# Altium PCB tester.PcbDoc (part 2 of 2)
Units mm, origin at the board's own origin, x right, y up, seen from the top; angles counter-clockwise.
Board outline 119.5 x 109.5 mm, 4 copper layers (Top Layer, Int1 (GND), Int2 (PWR), Bottom Layer), stack 1.369 mm thick; 137 components, 118 nets, 490 pads, 208 vias.
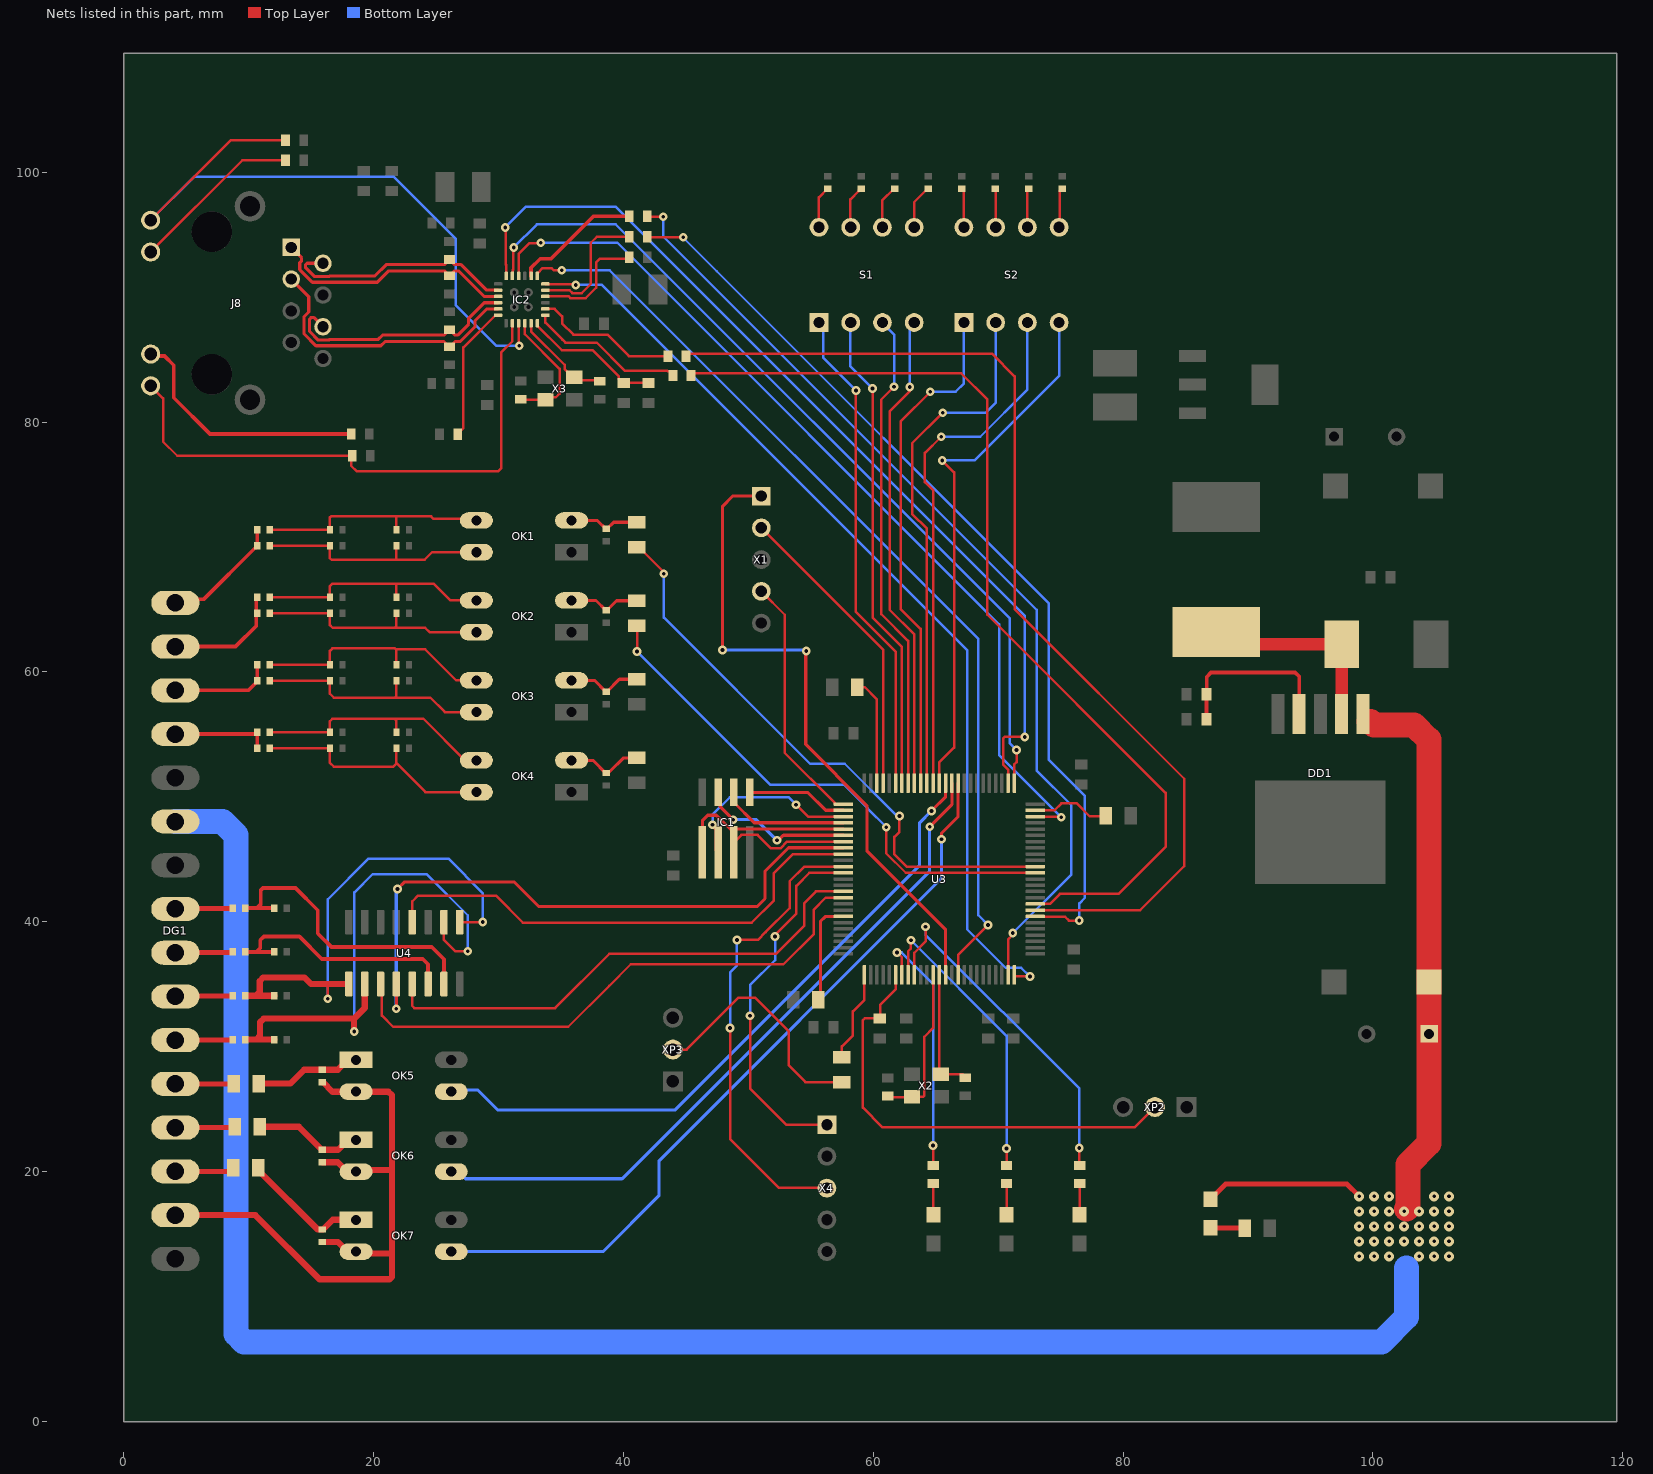
[diagram p4: the nets of this part, all layers, seen from the top]

## Via types
v1: diameter 0.8, hole 0.3, Top Layer to Bottom Layer, tented both sides, 123 vias
v2: diameter 0.7, hole 0.3, Top Layer to Bottom Layer, tented both sides, 84 vias
v3: diameter 0.7, hole 0.3, Top Layer to Bottom Layer, 1 vias

## Nets (pads, with @x,y where several pads share a name; then routed paths per layer and width w, separated by ;. In a path a pad name is that pad's centre, name@x,y a point inside that pad or via, vN(x,y) a via of type N, cw(c..) or ccw(c..) an arc to the next point about the centre after c; other vN are vias at no path point) (continued)
MAC_b0: S1.1 U3.70 | length 39.4
  Top Layer w0.2: v2(58.625,82.525) 58.625,64.8 61.8,61.625 U3.70@61.8,51.105
  Bottom Layer w0.2: S1.1@55.665,87.965 56,87.63 56,85.15 v2(58.625,82.525)
MAC_b1: S1.2 U3.69 | length 38.6
  Top Layer w0.2: v2(59.95,82.675) 59.95,64.35 62.3,62 U3.69@62.3,51.105
  Bottom Layer w0.2: S1.2@58.205,87.965 58.175,87.935 58.175,84.45 v2(59.95,82.675)
MAC_b2: S1.3 U3.68 | length 38.6
  Top Layer w0.2: v2(61.675,82.825) 60.65,81.8 60.65,64.625 62.8,62.475 U3.68@62.8,51.105
  Bottom Layer w0.2: S1.3@60.745,87.965 60.725,87.945 61.675,86.995 v2(61.675,82.825)
MAC_b3: S1.4 U3.67 | length 38.5
  Top Layer w0.2: v2(62.925,82.8) 62.925,82.45 61.325,80.85 61.325,64.975 63.3,63 U3.67@63.3,51.105
  Bottom Layer w0.2: v2(62.925,82.8) 62.925,87.605 S1.4@63.285,87.965
MAC_b4: S2.1 U3.66 | length 40.8
  Top Layer w0.2: U3.66@63.8,51.105 63.8,63.45 62.2,65.05 62.2,80.05 v2(64.575,82.425)
  Bottom Layer w0.2: v2(64.575,82.425) 66.6,82.425 67.265,83.09 S2.1@67.265,87.965
MAC_b5: S2.2 U3.65 | length 42.1
  Top Layer w0.2: U3.65@64.3,51.105 64.3,71.475 63.125,72.65 63.125,78.3 v2(65.575,80.75)
  Bottom Layer w0.2: v2(65.575,80.75) 69.025,80.75 69.805,81.53 S2.2@69.805,87.965
MAC_b6: S2.3 U3.64 | length 42.4
  Top Layer w0.2: U3.64@64.8,51.105 64.8,74.55 64.15,75.2 64.15,77.525 v2(65.45,78.825)
  Bottom Layer w0.2: v2(65.45,78.825) 68.575,78.825 72.345,82.595 S2.3@72.345,87.965
MAC_b7: S2.4 U3.63 | length 43.1
  Top Layer w0.2: U3.63@65.3,51.105 65.3,52.775 66.475,53.95 66.475,75.975 v2(65.525,76.925)
  Bottom Layer w0.2: v2(65.525,76.925) 68.125,76.925 74.885,83.685 S2.4@74.885,87.965
NetC1_2: C1.2 U3.12 X2.3 | length 12.9
  Top Layer w0.2: C1.2@61.175,25.975 63.085,25.975 X2.3@63.102,25.993 63.983,25.993 64.1,26.11 64.1,30.8 64.8,31.5 U3.12@64.8,35.745
NetC2_2: C2.2 IC2.4 X3.3 | length 10.3
  Top Layer w0.2: C2.2@31.7,81.741 31.734,81.775 X3.3@33.875,81.775 ; IC2.4@32.125,87.905 32.125,87.025 34.9,84.25 34.9,82.275 34.608,81.983 33.983,81.983 X3.3@33.775,81.775
NetC6_2: C6.2 U3.13 X2.1 | length 10
  Top Layer w0.2: U3.13@65.3,35.745 65.3,27.895 X2.1@65.402,27.793 67.182,27.793 C6.2@67.375,27.6
NetC7_2: C7.2 IC2.5 X3.1 | length 8
  Top Layer w0.2: IC2.5@32.625,87.905 32.625,87.26 35.3,84.585 35.3,84.25 35.975,83.575 X3.1@36.075,83.575 36.309,83.341 C7.2@38.125,83.341
NetC14_1: C14.1 U3.73 | length 8.7
  Top Layer w0.2: C14.1@58.725,58.775 59.333,58.775 60.183,57.925 60.3,57.808 U3.73@60.3,51.105
NetC16_2: C16.2 U3.6 XP2.2 | length 37.1
  Top Layer w0.2: U3.6@61.8,35.745 61.8,34.583 60.667,33.45 60.55,33.333 60.55,32.3 C16.2@60.525,32.275 59.325,32.275 59.175,32.125 59.175,25.125 60.725,23.575 80.95,23.575 XP2.2@82.55,25.175
NetC21_2: C21.2 U3.49 | length 6.3
  Top Layer w0.2: U3.49@72.98,48.925 74.525,48.925 75.075,49.475 76.3,49.475 77.325,48.45 78.55,48.45 C21.2@78.6,48.5
NetC30_1: C30.1 C31.1 IC2.6 | length 11.1
  Top Layer w0.2: IC2.6@33.125,87.905 33.125,87.7 35.075,85.75 37.55,85.75 39.648,83.652 39.648,83.425 39.948,83.125 C31.1@42.02,83.125
NetD2_C: D2.C DD1.2 L1.P$1 | length 16
  Top Layer w1: L1.P$1@87.475,63.2 88.475,62.2 D2.C@97.507,62.2 97.503,62.197 97.503,56.628 DD1.2@97.5,56.625
NetDD1_4: DD1.4 R1.1 R2.1 | length 14.1
  Top Layer w0.3: R2.1@86.675,56.2 86.687,56.212 86.687,58.212 R1.1@86.7,58.225 86.7,59.6 87.05,59.95 93.775,59.95 94.1,59.625 DD1.4@94.1,56.625
NetDG1_1: DG1.1 R3.1 R4.1 | length 9.8
  Top Layer w0.3: DG1.1@4.155,65.525 4.454,65.824 6.435,65.824 10.55,69.939 10.6,69.939 10.7,70.039 R4.1@10.7,70.089 R3.1@10.7,71.375
NetDG1_2: DG1.2 R33.1 R34.1 | length 9.5
  Top Layer w0.3: DG1.2@4.155,62.025 8.975,62.025 10.625,63.675 10.625,65.895 R33.1@10.7,65.97
NetDG1_3: DG1.3 R74.1 R75.1 | length 8.2
  Top Layer w0.3: DG1.3@4.155,58.525 9.995,58.525 10.7,59.23 R75.1@10.7,59.28 R74.1@10.7,60.566
NetDG1_4: DG1.4 R80.1 R81.1 | length 7.9
  Top Layer w0.3: DG1.4@4.155,55.025 10.6,55.025 R80.1@10.7,55.125 ; R81.1@10.7,53.875 R80.1@10.7,55.125 ; R80.1@10.7,55.161 R80.1@10.7,55.125
NetDG1_8: DG1.8 R54.1 | length 4.6
  Top Layer w0.4: DG1.8@4.155,41.025 4.193,41.062 8.713,41.062 R54.1@8.75,41.1
NetDG1_9: DG1.9 R56.1 | length 4.6
  Top Layer w0.4: DG1.9@4.155,37.525 4.188,37.558 8.717,37.558 R56.1@8.75,37.592
NetDG1_10: DG1.10 R57.1 | length 4.6
  Top Layer w0.4: DG1.10@4.155,34.025 4.184,34.054 8.721,34.054 R57.1@8.75,34.083
NetDG1_11: DG1.11 R58.1 | length 4.6
  Top Layer w0.4: DG1.11@4.155,30.525 4.18,30.55 8.725,30.55 R58.1@8.75,30.575
NetDG1_12: DG1.12 R65.1 | length 4.7
  Top Layer w0.4: DG1.12@4.155,27.025 8.8,27.025 R65.1@8.825,27.05
NetDG1_13: DG1.13 R67.1 | length 4.8
  Top Layer w0.4: DG1.13@4.155,23.525 8.825,23.525 R67.1@8.9,23.6
NetDG1_14: DG1.14 R69.1 | length 4.8
  Top Layer w0.4: DG1.14@4.155,20.025 8.525,20.025 R69.1@8.8,20.3
NetDG1_15: DG1.15 OK5.2 OK6.2 OK7.2 R66.2 R68.2 R70.2 | length 52
  Top Layer w0.5: DG1.15@4.155,16.525 10.55,16.525 15.687,11.388 21.295,11.388 21.5,11.593 21.5,13.45 ; R70.2@15.925,14.375 17.154,14.375 17.924,13.605 OK7.2@18.615,13.605 18.77,13.45 21.5,13.45 ; R68.2@15.925,20.763 17.142,20.763 17.899,20.005 OK6.2@18.615,20.005 18.735,20.125 21.5,20.125 ; R66.2@15.925,27.15 15.975,27.15 16.72,26.405 OK5.2@18.615,26.405 21.207,26.405 21.5,26.112 21.5,20.125 ; 21.5,13.45 21.5,20.125
NetIC1_1: IC1.1 U3.77 | length 8.1
  Top Layer w0.254: IC1.1@50.13,50.35 54.775,50.35 56.2,48.925 U3.77@57.62,48.925
NetIC1_2: IC1.2 U3.79 | length 10.2
  Top Layer w0.254: IC1.2@48.86,50.35 48.86,49.55 50.485,47.925 U3.79@57.62,47.925
NetIC1_3: IC1.3 U3.81 | length 12.3
  Top Layer w0.254: IC1.3@47.59,50.35 47.763,50.177 47.763,49.212 v2(48.8,48.175) ; v2(52.3,46.525) 52.421,46.525 52.821,46.925 U3.81@57.62,46.925
  Bottom Layer w0.254: v2(48.8,48.175) 50.65,48.175 v2(52.3,46.525)
NetIC1_5: IC1.5 U3.80 | length 14.5
  Top Layer w0.25: IC1.5@46.32,45.55 46.35,45.58 46.35,48.125 46.749,48.524 47.451,48.524 48.55,47.425 U3.80@57.62,47.425
NetIC1_6: IC1.6 U3.78 | length 14.9
  Top Layer w0.2: v2(47.15,47.775) 47.15,47.64 47.39,47.4 47.39,45.75 IC1.6@47.59,45.55 ; v2(53.825,49.375) 54.787,48.413 57.607,48.413 U3.78@57.62,48.425
  Bottom Layer w0.2: v2(47.15,47.775) 47.15,48.575 48.525,49.95 53.25,49.95 v2(53.825,49.375)
NetIC1_7: IC1.7 U3.82 | length 10.5
  Top Layer w0.2: IC1.7@48.86,45.55 48.86,46.35 49.46,46.95 50.75,46.95 51.825,45.875 52.569,45.875 53.119,46.425 U3.82@57.62,46.425
NetIC2_2: IC2.2 J8.12 R46.2 | length 45.5
  Top Layer w0.2: J8.12@2.175,82.9 3.175,81.9 3.175,78.425 4.3,77.3 18.225,77.3 18.225,76.5 18.675,76.05 29.975,76.05 30.25,76.325 30.25,85.594 31.125,86.469 IC2.2@31.125,87.905
NetIC2_3: IC2.3 J8.9 R45.2 | length 54.9
  Top Layer w0.2: J8.9@2.175,96.15 8.575,102.55 R45.2@12.9,102.55 ; IC2.3@31.625,87.905 31.65,87.88 31.65,86.125 v2(31.675,86.1)
  Bottom Layer w0.2: J8.9@2.175,96.15 5.675,99.65 21.6,99.65 26.575,94.675 26.575,89.375 29.85,86.1 v2(31.675,86.1)
NetIC2_7: IC2.7 R38.2 | length 12.5
  Top Layer w0.2: IC2.7@33.77,88.55 33.77,87.955 35.125,86.6 35.375,86.35 37.875,86.35 40.125,84.1 43.525,84.1 43.55,84.075 43.65,84.075 43.9,83.825 R38.2@43.9,83.725
NetIC2_8: IC2.8 R37.2 | length 11.6
  Top Layer w0.2: IC2.8@33.77,89.05 34.5,89.05 35.1,88.45 35.1,87.9 36.008,86.992 38.733,86.992 40.45,85.275 R37.2@43.5,85.275
NetIC2_10: IC2.10 R39.2 | length 9.2
  Top Layer w0.2: IC2.10@33.77,90.05 35.64,90.05 35.765,89.925 37,89.925 37.825,90.75 37.825,92.775 38.125,93.075 40.292,93.075 R39.2@40.4,93.183
NetIC2_11: IC2.11 R40.2 | length 10.5
  Top Layer w0.2: IC2.11@33.77,90.55 35.706,90.55 35.931,90.325 36.675,90.325 37.4,91.05 37.4,94.35 37.875,94.825 R40.2@40.4,94.825
NetIC2_14: IC2.14 R43.2 | length 10.1
  Top Layer w0.3: IC2.14@32.625,91.695 32.625,92.351 33.349,93.075 34.225,93.075 37.625,96.475 R43.2@40.4,96.475
NetIC2_24: IC2.24 R41.1 | length 11
  Top Layer w0.2: R41.1@26.825,79.025 26.825,79.125 27.2,79.5 27.2,85.975 29.775,88.55 IC2.24@29.98,88.55
NetJ8_10: J8.10 R82.2 | length 13.8
  Top Layer w0.2: J8.10@2.175,93.61 9.515,100.95 R82.2@12.9,100.95
NetJ8_11: J8.11 R83.2 | length 20.1
  Top Layer w0.3: J8.11@2.175,85.44 2.33,85.285 3.29,85.285 4.025,84.55 4.025,81.95 6.925,79.05 R83.2@18.15,79.05
NetOK1_2: OK1.2 R18.2 R19.1 | length 5.7
  Top Layer w0.25: OK1.2@35.86,72.12 37.93,72.12 38.6,71.45 R19.1@38.65,71.45 38.7,71.45 39.225,71.975 R18.2@41.075,71.975
NetOK1_3: OK1.3 R3.2 R11.2 R17.2 | length 18.8
  Top Layer w0.2: R3.2@11.7,71.375 R17.2@16.525,71.375 16.525,72.36 16.642,72.477 21.825,72.477 21.85,72.452 ; R11.2@21.85,71.375 21.85,72.452 ; OK1.3@28.24,72.12 28.11,72.25 24.825,72.25 24.623,72.452 21.85,72.452
NetOK1_4: OK1.4 R4.2 R10.2 R16.2 | length 19
  Top Layer w0.2: R4.2@11.7,70.089 R16.2@16.525,70.089 16.525,69.1 16.65,68.975 21.733,68.975 ; R10.2@21.85,70.089 21.85,69.092 21.733,68.975 ; OK1.4@28.24,69.58 24.7,69.58 24.095,68.975 21.733,68.975
NetOK2_2: OK2.2 R20.2 R21.1 | length 5.9
  Top Layer w0.25: OK2.2@35.86,65.72 37.813,65.72 38.6,64.933 R21.1@38.65,64.933 38.7,64.933 39.458,65.692 R20.2@41.075,65.692
NetOK2_3: OK2.3 R5.2 R8.2 R33.2 | length 19.2
  Top Layer w0.2: R33.2@11.7,65.97 R5.2@16.525,65.97 16.525,66.875 16.725,67.075 21.733,67.075 ; R8.2@21.85,65.97 21.85,66.958 21.733,67.075 ; OK2.3@28.24,65.72 26.18,65.72 24.825,67.075 21.733,67.075
NetOK2_4: OK2.4 R7.2 R32.2 R34.2 | length 18.9
  Top Layer w0.2: R34.2@11.7,64.684 R7.2@16.525,64.684 16.525,63.75 16.75,63.525 21.708,63.525 ; R32.2@21.85,64.684 21.825,64.659 21.825,63.642 21.708,63.525 ; OK2.4@28.24,63.18 24.495,63.18 24.15,63.525 21.708,63.525
NetOK3_2: OK3.2 R22.2 R23.1 | length 6
  Top Layer w0.25: OK3.2@35.86,59.32 37.697,59.32 38.6,58.417 R23.1@38.65,58.417 38.7,58.417 39.692,59.408 R22.2@41.075,59.408
NetOK3_3: OK3.3 R35.2 R44.2 R74.2 | length 20
  Top Layer w0.2: R74.2@11.7,60.566 R35.2@16.525,60.566 16.525,61.675 16.725,61.875 21.725,61.875 21.8,61.8 ; R44.2@21.85,60.566 21.85,61.75 21.8,61.8 ; OK3.3@28.24,59.32 26.63,59.32 24.15,61.8 21.8,61.8
NetOK3_4: OK3.4 R42.2 R73.2 R75.2 | length 19.6
  Top Layer w0.2: R75.2@11.7,59.28 R42.2@16.525,59.28 16.525,58.25 16.825,57.95 21.733,57.95 ; R73.2@21.85,59.28 21.85,58.067 21.733,57.95 ; OK3.4@28.24,56.78 25.72,56.78 24.55,57.95 21.733,57.95
NetOK4_2: OK4.2 R26.2 R27.1 | length 6.1
  Top Layer w0.25: OK4.2@35.86,52.92 37.58,52.92 38.6,51.9 R27.1@38.65,51.9 38.775,52.025 38.927,52.025 40.027,53.125 R26.2@41.075,53.125
NetOK4_3: OK4.3 R76.2 R78.2 R80.2 | length 20.1
  Top Layer w0.2: R80.2@11.7,55.161 R76.2@16.525,55.161 16.525,56.05 16.725,56.25 21.675,56.25 ; R78.2@21.85,55.161 21.85,56.075 21.675,56.25 ; OK4.3@28.24,52.92 27.33,52.92 24,56.25 21.675,56.25
NetOK4_4: OK4.4 R77.2 R79.2 R81.2 | length 20.1
  Top Layer w0.2: R81.2@11.7,53.875 R77.2@16.525,53.875 16.525,52.725 16.825,52.425 21.6,52.425 21.85,52.675 R79.2@21.85,53.875 ; 21.85,52.7 24.17,50.38 OK4.4@28.24,50.38
NetOK5_1: OK5.1 R65.2 R66.1 | length 8.6
  Top Layer w0.5: R65.2@10.825,27.05 13.35,27.05 14.45,28.15 R66.1@15.925,28.15 17.16,28.15 17.955,28.945 OK5.1@18.615,28.945
NetOK5_3: OK5.3 U3.62 | length 53.8
  Top Layer w0.25: v2(64.675,48.875) 65.8,50 U3.62@65.8,51.105
  Bottom Layer w0.25: OK5.3@26.235,26.405 26.355,26.525 28.375,26.525 29.975,24.925 44.125,24.925 63.725,44.525 63.725,47.925 v2(64.675,48.875)
NetOK6_1: OK6.1 R67.2 R68.1 | length 8.8
  Top Layer w0.5: R67.2@10.9,23.6 14.037,23.6 15.875,21.762 R68.1@15.925,21.762 17.172,21.762 17.955,22.545 OK6.1@18.615,22.545
NetOK6_3: OK6.3 U3.61 | length 56.5
  Top Layer w0.25: v2(64.525,47.6) 66.3,49.375 U3.61@66.3,51.105
  Bottom Layer w0.25: OK6.3@26.235,20.005 26.795,20.005 27.369,19.431 39.906,19.431 64.525,44.05 v2(64.525,47.6)
NetOK7_1: OK7.1 R69.2 R70.1 | length 10.3
  Top Layer w0.5: R69.2@10.8,20.3 10.8,20.1 15.525,15.375 R70.1@15.925,15.375 15.975,15.375 16.745,16.145 OK7.1@18.615,16.145
NetOK7_3: OK7.3 U3.60 | length 61.4
  Top Layer w0.25: v2(65.475,46.6) 65.475,47.1 66.8,48.425 U3.60@66.8,51.105
  Bottom Layer w0.25: OK7.3@26.235,13.605 38.38,13.605 42.875,18.1 42.875,20.875 65.475,43.475 v2(65.475,46.6)
NetR6_1: R6.1 VD4.K | length 2.7
  Top Layer w0.4: VD4.K@87,15.5 89.7,15.5 R6.1@89.725,15.475
NetR9_2: R9.2 S1.8 | length 3.4
  Top Layer w0.2: S1.8@55.665,95.585 55.65,95.6 55.65,97.975 R9.2@56.35,98.675
NetR12_1: R12.1 U3.94 | length 8.3
  Top Layer w0.254: R12.1@55.6,33.775 55.775,33.95 55.775,40.025 56.169,40.419 57.614,40.419 U3.94@57.62,40.425
NetR13_1: R13.1 U3.7 | length 20.4
  Top Layer w0.2: v2(61.9,37.55) 61.915,37.55 62.3,37.165 U3.7@62.3,35.745 ; v2(64.8,22.1) 64.8,20.588 R13.1@64.813,20.575
  Bottom Layer w0.2: v2(61.9,37.55) 62.275,37.55 64.8,35.025 v2(64.8,22.1)
NetR13_2: R13.2 VD1.K | length 2.4
  Top Layer w0.2: R13.2@64.813,18.975 64.813,16.574 VD1.K@64.837,16.55
NetR14_1: R14.1 U3.8 | length 24
  Top Layer w0.2: U3.8@62.8,35.745 62.8,37.645 63.025,37.87 v2(63.025,38.525) ; R14.1@70.675,20.575 v2(70.675,21.85)
  Bottom Layer w0.2: v2(63.025,38.525) 70.675,30.875 v2(70.675,21.85)
NetR14_2: R14.2 VD2.K | length 2.4
  Top Layer w0.2: VD2.K@70.675,16.55 R14.2@70.675,18.975
NetR15_1: R15.1 U3.9 | length 28.4
  Top Layer w0.2: U3.9@63.3,35.745 63.3,37.525 64.2,38.425 v2(64.2,39.6) ; v2(76.5,21.9) 76.5,20.613 R15.1@76.538,20.575
  Bottom Layer w0.2: v2(64.2,39.6) 64.2,38.95 76.5,26.65 v2(76.5,21.9)
NetR15_2: R15.2 VD3.K | length 2.4
  Top Layer w0.2: VD3.K@76.513,16.55 76.538,16.575 R15.2@76.538,18.975
NetR18_1: R18.1 U3.40 | length 47
  Top Layer w0.2: R18.1@41.075,69.975 41.275,69.975 43.154,68.096 43.154,67.946 v2(43.25,67.85) ; v2(62.1,48.475) 62.1,47.2 61.7,46.8 61.7,45.4 62.675,44.425 U3.40@72.98,44.425
  Bottom Layer w0.2: v2(43.25,67.85) 43.25,64.35 54.95,52.65 57.725,52.65 61.9,48.475 v2(62.1,48.475)
NetR20_1: R20.1 U3.39 | length 42.5
  Top Layer w0.2: R20.1@41.075,63.692 41.1,63.667 v2(41.1,61.625) ; v2(61.052,47.575) 61.052,45.482 62.609,43.925 U3.39@72.98,43.925
  Bottom Layer w0.2: v2(41.1,61.625) 51.775,50.95 57.702,50.95 59.555,49.097 59.555,49.072 v2(61.052,47.575)
NetR24_2: R24.2 S1.7 | length 3.5
  Top Layer w0.2: S1.7@58.205,95.585 58.175,95.615 58.175,97.814 58.836,98.475 58.836,98.525 58.986,98.675 R24.2@59.036,98.675
NetR25_2: R25.2 S1.6 | length 3.6
  Top Layer w0.2: S1.6@61.199,95.811 61.099,95.811 60.725,96.186 60.725,97.729 61.671,98.675 R25.2@61.721,98.675
NetR54_2: R54.2 R61.2 U4.7 | length 24
  Top Layer w0.3: R54.2@9.75,41.1 10.682,41.1 ; R61.2@12.075,41.1 10.682,41.1 ; U4.7@25.65,35.025 25.65,37 24.675,37.975 16.65,37.975 15.55,39.075 15.55,40.925 13.775,42.7 11.168,42.7 10.975,42.507 10.975,41.393 10.682,41.1
NetR55_1: R55.1 XP3.2 | length 19.6
  Top Layer w0.2: XP3.2@43.975,29.775 45.075,29.775 49.225,33.925 50.55,33.925 53.25,31.225 53.25,28.5 54.575,27.175 R55.1@57.5,27.175
NetR55_2: R55.2 U3.1 | length 7.3
  Top Layer w0.2: R55.2@57.5,29.175 57.5,30.025 58.375,30.9 58.375,32.825 59.3,33.75 U3.1@59.3,35.745
NetR56_2: R56.2 R62.2 U4.6 | length 19.4
  Top Layer w0.3: R56.2@9.75,37.592 10.649,37.592 ; R62.2@12.075,37.592 10.649,37.592 ; U4.6@24.38,35.025 24.38,36.595 23.95,37.025 15.875,37.025 14.075,38.825 11.243,38.825 10.95,38.532 10.95,37.893 10.649,37.592
NetR57_2: R57.2 R63.2 U4.1 U4.9 | length 39.3
  Top Layer w0.2: v2(16.35,33.85) 16.35,34.86 16.515,35.025 ; U4.9@26.92,39.975 v2(28.75,39.975)
  Top Layer w0.5: R57.2@9.75,34.083 10.59,34.083 ; R63.2@12.075,34.083 10.59,34.083 ; U4.1@18.03,35.025 16.515,35.025 15,35.025 14.475,35.55 11.193,35.55 10.9,35.257 10.9,34.393 10.59,34.083
  Bottom Layer w0.2: v2(16.35,33.85) 16.35,41.8 19.6,45.05 26,45.05 28.75,42.3 v2(28.75,39.975)
NetR58_2: R58.2 R64.2 U4.2 U4.10 | length 44.4
  Top Layer w0.2: U4.10@25.65,39.975 25.65,38.55 26.525,37.675 26.55,37.65 v2(27.55,37.65)
  Top Layer w0.5: R58.2@9.75,30.575 10.632,30.575 ; R64.2@12.075,30.575 10.632,30.575 ; v2(18.475,31.225) 18.45,31.25 18.45,32.25 ; U4.2@19.3,35.025 19.3,33.1 18.45,32.25 ; 10.632,30.575 10.925,30.868 10.925,31.957 11.218,32.25 18.45,32.25
  Bottom Layer w0.2: v2(18.475,31.225) 18.475,42.35 19.95,43.825 24.25,43.825 27.55,40.525 v2(27.55,37.65)
NetR84_2: R84.2 S1.5 | length 3.6
  Top Layer w0.2: S1.5@63.285,95.585 63.275,95.595 63.275,97.593 64.357,98.675 R84.2@64.407,98.675
NetR85_2: R85.2 S2.8 | length 3.2
  Top Layer w0.2: R85.2@67.093,98.675 67.115,98.675 67.265,98.525 S2.8@67.265,95.585
NetR86_2: R86.2 S2.7 | length 3.1
  Top Layer w0.2: R86.2@69.779,98.675 69.805,98.649 S2.7@69.805,95.585
NetR87_2: R87.2 S2.6 | length 3.1
  Top Layer w0.2: S2.6@72.345,95.585 72.345,98.556 R87.2@72.464,98.675
NetR88_2: R88.2 S2.5 | length 3.2
  Top Layer w0.2: S2.5@74.885,95.585 74.95,95.65 74.95,98.525 75.1,98.675 R88.2@75.15,98.675
NetU3_72: U3.72 X1.2 | length 24.5
  Top Layer w0.2: X1.2@51.05,71.53 60.8,61.78 U3.72@60.8,51.105
NetU3_76: U3.76 X1.4 | length 20.1
  Top Layer w0.2: X1.4@51.05,66.45 52.925,64.575 52.925,53.515 56.94,49.5 56.94,49.465 56.98,49.425 U3.76@57.62,49.425
NetU3_83: U3.83 U4.4 | length 51.6
  Top Layer w0.25: v2(21.826,33.046) 21.84,33.06 U4.4@21.84,35.025 ; v2(21.925,42.625) 22.5,43.2 31.25,43.2 33.225,41.225 50.725,41.225 51.35,41.85 51.35,44.055 53.22,45.925 U3.83@57.62,45.925
  Bottom Layer w0.25: v2(21.826,33.046) 21.826,42.526 v2(21.925,42.625)
NetU3_84: U3.84 U4.12 | length 40.8
  Top Layer w0.2: U4.12@23.11,39.975 23.11,41.635 23.575,42.1 29.8,42.1 31.975,39.925 50.275,39.925 52.025,41.675 52.025,43.875 53.575,45.425 U3.84@57.62,45.425
NetU3_90: U3.90 U4.5 | length 41.3
  Top Layer w0.2: U4.5@23.11,35.025 23.11,33.265 23.275,33.1 34.55,33.1 38.875,37.425 52.225,37.425 54.5,39.7 54.5,41.5 55.425,42.425 U3.90@57.62,42.425
NetU3_91: U3.91 U4.3 | length 45.3
  Top Layer w0.2: U4.3@20.57,35.025 20.675,34.92 20.675,32.5 21.575,31.6 35.6,31.6 38.875,34.875 40.6,36.6 52.825,36.6 55.25,39.025 55.25,40.975 56.2,41.925 U3.91@57.62,41.925
P1_RX_N: IC2.22 J8.6 R28.1 | length 19.6
  Top Layer w0.25: J8.6@15.965,87.625 15.217,88.373 15.031,88.373 14.899,88.241 14.899,87.243 15.583,86.559 16.44,86.559 16.494,86.613 20.392,86.613 20.733,86.954 25.65,86.954 26,87.304 26.1,87.304 26.2,87.304 26.55,86.954 26.743,86.954 27.625,87.836 27.625,88.312 28.864,89.55 IC2.22@29.98,89.55
P1_RX_P: IC2.23 J8.3 R29.1 | length 22.8
  Top Layer w0.25: J8.3@13.425,91.435 14.825,90.035 14.825,88.804 14.449,88.427 14.449,87.056 15.396,86.109 20.601,86.109 20.942,86.45 25.65,86.45 26,86.1 26.1,86.1 26.2,86.1 26.55,86.45 26.952,86.45 28.129,87.627 28.129,88.103 29.072,89.046 29.976,89.046 IC2.23@29.98,89.05
P1_TX_N: IC2.20 J8.2 R30.1 | length 18.9
  Top Layer w0.25: J8.2@15.965,92.705 14.69,92.705 14.558,92.573 14.558,92.387 15.306,91.639 16.44,91.639 16.494,91.693 20.108,91.693 21.017,92.602 25.677,92.602 26,92.925 26.1,92.925 26.2,92.925 26.523,92.602 27.024,92.602 29.072,90.554 29.976,90.554 IC2.20@29.98,90.55
P1_TX_P: IC2.21 J8.1 R31.1 | length 20
  Top Layer w0.25: J8.1@13.425,93.975 14.257,93.143 14.257,92.909 14.108,92.76 14.108,92.2 15.119,91.189 20.317,91.189 21.226,92.098 25.677,92.098 26,91.775 26.1,91.775 26.2,91.775 26.523,92.098 26.816,92.098 28.864,90.05 IC2.21@29.98,90.05
RESET: U3.14 X1.1 | length 52.3
  Top Layer w0.254: v2(47.95,61.75) 47.95,73.275 48.745,74.07 X1.1@51.05,74.07 ; v2@54.6,61.675 54.6,54.2 59.5,49.3 59.5,45.675 65.8,39.375 U3.14@65.8,35.745
  Bottom Layer w0.254: v2(47.95,61.75) 54.575,61.75 v2(54.65,61.675)
RMII_CRS_DV: R40.1 U3.32 | length 74.7
  Top Layer w0.2: R40.1@42,94.825 42.025,94.8 v2(44.8,94.8) ; U3.32@72.98,40.425 73.005,40.4 75.375,40.4 75.675,40.1 v2(76.5,40.1)
  Bottom Layer w0.2: v2(44.8,94.8) 44.8,94.75 47.483,92.067 74.075,65.475 74.075,52.95 76.95,50.075 76.95,41.925 76.5,41.475 v2(76.5,40.1)
RMII_MDC: IC2.13 U3.16 | length 76.2
  Top Layer w0.2: IC2.13@33.125,91.695 33.165,91.735 33.165,91.94 33.55,92.325 34.25,92.325 34.425,92.15 v2(35.075,92.15) ; U3.16@66.8,35.745 66.8,37.35 v2(69.2,39.75)
  Bottom Layer w0.2: v2(35.075,92.15) 38.9,92.15 68.425,62.625 68.425,40.525 v2(69.2,39.75)
RMII_MDIO: IC2.12 U3.25 | length 76.2
  Top Layer w0.2: IC2.12@33.77,91.05 33.808,91.013 36.163,91.013 v2(36.2,90.975) ; U3.25@71.3,35.745 71.3,35.665 71.34,35.625 v2(72.55,35.625)
  Bottom Layer w0.2: v2@36.197,90.978 38.297,90.978 67.525,61.75 67.525,39.4 70.6,36.325 71.85,36.325 v2(72.55,35.625)
RMII_REF_CLK: R43.1 U3.24 | length 77.5
  Top Layer w0.2: R43.1@42,96.475 42.05,96.425 v2(43.2,96.425) ; U3.24@70.8,35.745 70.8,38.59 71.175,38.965 v2(71.175,39.1)
  Bottom Layer w0.2: v2(43.2,96.425) 43.2,94.85 73.075,64.975 73.075,52.125 75.875,49.325 75.875,43.8 v2(71.175,39.1)
RMII_RXD0: R37.1 U3.33 | length 85.3
  Top Layer w0.2: R37.1@45.1,85.275 45.3,85.475 69.5,85.475 71.325,83.65 71.325,65.025 84.9,51.45 84.9,44.45 81.375,40.925 U3.33@72.98,40.925
RMII_RXD1: R38.1 U3.34 | length 78.6
  Top Layer w0.2: R38.1@45.5,83.725 45.675,83.9 67.05,83.9 69.15,81.8 69.15,64.575 83.4,50.325 83.4,46 79.625,42.225 74.95,42.225 74.15,41.425 U3.34@72.98,41.425
RMII_TX_EN: IC2.16 U3.48 | length 72.8
  Top Layer w0.2: IC2.16@31.625,91.695 31.625,93.45 32.5,94.325 33.375,94.325 v2(33.4,94.35) ; U3.48@72.98,48.425 73.005,48.4 75.025,48.4 v2(75.05,48.375)
  Bottom Layer w0.2: v2(33.4,94.35) 39.525,94.35 70.075,63.8 70.075,53.35 v2(75.05,48.375)
RMII_TXD0: IC2.17 U3.51 | length 69.3
  Top Layer w0.2: IC2.17@31.125,91.695 31.165,91.735 31.165,92.196 31.175,92.206 31.175,93.919 v2(31.225,93.969) ; U3.51@71.3,51.105 71.312,51.117 71.312,52.613 71.475,52.775 v2(71.475,53.75)
  Bottom Layer w0.2: v2(31.225,93.969) 33.081,95.825 39.4,95.825 70.925,64.3 70.925,54.3 v2(71.475,53.75)
RMII_TXD1: IC2.18 U3.52 | length 75
  Top Layer w0.2: v2(30.55,95.575) 30.575,95.55 30.575,92.625 30.625,92.575 IC2.18@30.625,91.695 ; U3.52@70.8,51.105 70.8,52.175 70.4,52.575 70.4,54.683 70.517,54.8 v2(72.125,54.8)
  Bottom Layer w0.2: v2(30.55,95.575) 32.225,97.25 39.375,97.25 72.125,64.5 v2(72.125,54.8)
RX: U3.87 X4.1 | length 29.3
  Top Layer w0.2: v2(50.15,32.475) 50.15,26.65 53.035,23.765 X4.1@56.3,23.765 ; v2(52.15,38.825) 52.15,38.95 53.85,40.65 53.85,42.875 54.9,43.925 U3.87@57.62,43.925
  Bottom Layer w0.2: v2(50.15,32.475) 50.15,34.925 52.15,36.925 v2(52.15,38.825)
TX: U3.86 X4.3 | length 37.8
  Top Layer w0.2: v2(48.55,31.5) 48.55,22.6 52.425,18.725 56.26,18.725 X4.3@56.3,18.685 ; v2(49.102,38.55) 50.775,38.55 51.4,39.175 53.325,41.1 53.325,43.25 54.5,44.425 U3.86@57.62,44.425
  Bottom Layer w0.2: v2(48.55,31.5) 48.55,35.95 49.102,36.502 v2(49.102,38.55)
V_24pwr: C3.1 C9.1 DD1.1 DG1.6 VD4.A | length 200.4
  Top Layer w0.4: VD4.A@87,17.8 88.2,19 97.925,19 v1(98.9,18.025)
  Top Layer w2: DD1.1@99.675,56.025 99.8,56.025 100.075,55.75 103.3,55.75 104.475,54.575 C3.1@104.475,35.175 104.475,32.025 104.475,31.025 104.475,22.25 102.806,20.581 102.806,17.131 v1@102.7,17.025
  Bottom Layer w2: DG1.6@4.155,48.025 7.928,48.025 9,46.953 9,7.022 9.644,6.377 100.702,6.377 102.675,8.35 102.675,12.271
  other v1: 98.9,13.225 100.1,13.225 101.3,13.225 103.7,13.225 104.9,13.225 106.1,13.225 98.9,14.425 100.1,14.425 101.3,14.425 102.5,14.425 103.7,14.425 104.9,14.425 106.1,14.425 98.9,15.625 100.1,15.625 101.3,15.625 102.5,15.625 103.7,15.625 104.9,15.625 106.1,15.625 98.9,16.825 100.1,16.825 101.3,16.825 102.5,16.825 103.7,16.825 104.9,16.825 106.1,16.825 100.1,18.025 101.3,18.025 104.9,18.025 106.1,18.025
pads on no net: J8. J8.7 U3.2 U3.3 U3.4 U3.5 U3.15 U3.17 U3.18 U3.26 U3.29 U3.30 U3.31 U3.35 U3.36 U3.37 U3.38 U3.43 U3.44 U3.45 U3.46 U3.47 U3.53 U3.54 U3.55 U3.56 U3.57 U3.58 U3.59 U3.71 U3.88 U3.89 U3.92 U3.93 U3.95 U3.96 U3.97 U3.98 U4.11 U4.13 U4.14 U4.15 XP2.3 XP3.1

## Polygon pours and split planes (outlines as drawn)
GND on Top Layer "GND" (solid, remove dead copper, pour order 16): 0,109 119,109 119,0 0,0
+5v on Top Layer "tga" (solid, remove dead copper, pour order 6): 96.925,87.325 103.1,87.325 103.1,83.175 96.925,83.175
+3.3v on Top Layer "GND" (solid, remove dead copper, pour order 7): 72.575,77.25 78.75,77.25 78.75,73.1 72.575,73.1
V_24pwr on Top Layer "GND" (solid, pour order 13): 98.225,18.75 107,18.75 107,12.125 98.225,12.125
GND on Bottom Layer "GND" (solid, remove dead copper, pour order 17): 0,109 119,109 119,0 0,0
+5v on Bottom Layer "GND" (solid, remove dead copper, pour order 11): 96.925,87.325 103.1,87.325 103.1,83.175 96.925,83.175
+3.3v on Bottom Layer "GND" (solid, remove dead copper, pour order 8): 72.575,77.25 78.75,77.25 78.75,73.1 72.575,73.1
V_24pwr on Bottom Layer "GND" (solid, remove dead copper, pour order 10): 98.225,18.75 107.025,18.75 107.025,12.125 98.225,12.125
GND on Int2 (PWR) "GND" (solid, remove dead copper, pour order 18): 0,109 119,109 119,0 0,0
GND on Int1 (GND) "GND" (solid, remove dead copper, pour order 19): 0,109 119,109 119,0 0,0

## Keep-outs
Keep-Out Layer:
  the board outline again, w0.3

## Silkscreen, mask and mechanical layers (free items; w line width, h text height)
Top Overlay:
  circle w0.254: c30.05,87.35 r0.09
  lines w0.2: 5.35,49.75 13.95,49.75 ; 5.375,18.225 13.975,18.225 ; 5.375,28.75 13.975,28.75
  text "0" at 55.479,84.779 h1
  text "1" at 58.168,84.779 h1
  text "2" at 60.858,84.779 h1
  text "3" at 63.547,84.779 h1
  text "4" at 66.236,84.779 h1
  text "5" at 68.925,84.779 h1
  text "6" at 71.615,84.779 h1
  text "7" at 74.304,84.779 h1
  text "RST" at 46.579,73.679 h1
  text "pul 5v gnd" at 13.804,73.112 h1
  text "E" at 7.754,70.954 h1
  text "C" at 7.754,69.354 h1
  text "SWD" at 54.271,67.579 h1 r90
  text "pul 5v gnd" at 13.804,67.387 h1
  text "E" at 7.754,65.379 h1
  text "C" at 7.754,63.779 h1
  text "+3.3" at 45.604,63.179 h1
  text "pul 5v gnd" at 13.804,61.912 h1
  text "E" at 7.754,60.154 h1
  text "C" at 7.754,58.554 h1
  text "pul 5v gnd" at 13.879,56.587 h1
  text "E" at 7.754,54.704 h1
  text "C" at 7.754,53.104 h1
  text "G" at 7.779,50.479 h1
  text "+24" at 7.679,47.529 h1
  text "G" at 7.679,44.204 h1
  text "S_RST" at 37.329,29.171 h1
  text "Vbat" at 82.896,27.129 h1 r90
  text "+3.3" at 85.546,27.079 h1 r90
  text "RX" at 58.379,23.704 h1
  text "G" at 58.379,20.654 h1
  text "TX" at 58.304,18.104 h1
  text "COMM" at 7.304,16.204 h1
  text "DE" at 58.454,15.604 h1
  text "+5" at 58.304,13.054 h1
  text "+5" at 7.129,12.454 h1